# KiCad board vga.kicad_pcb (continued)
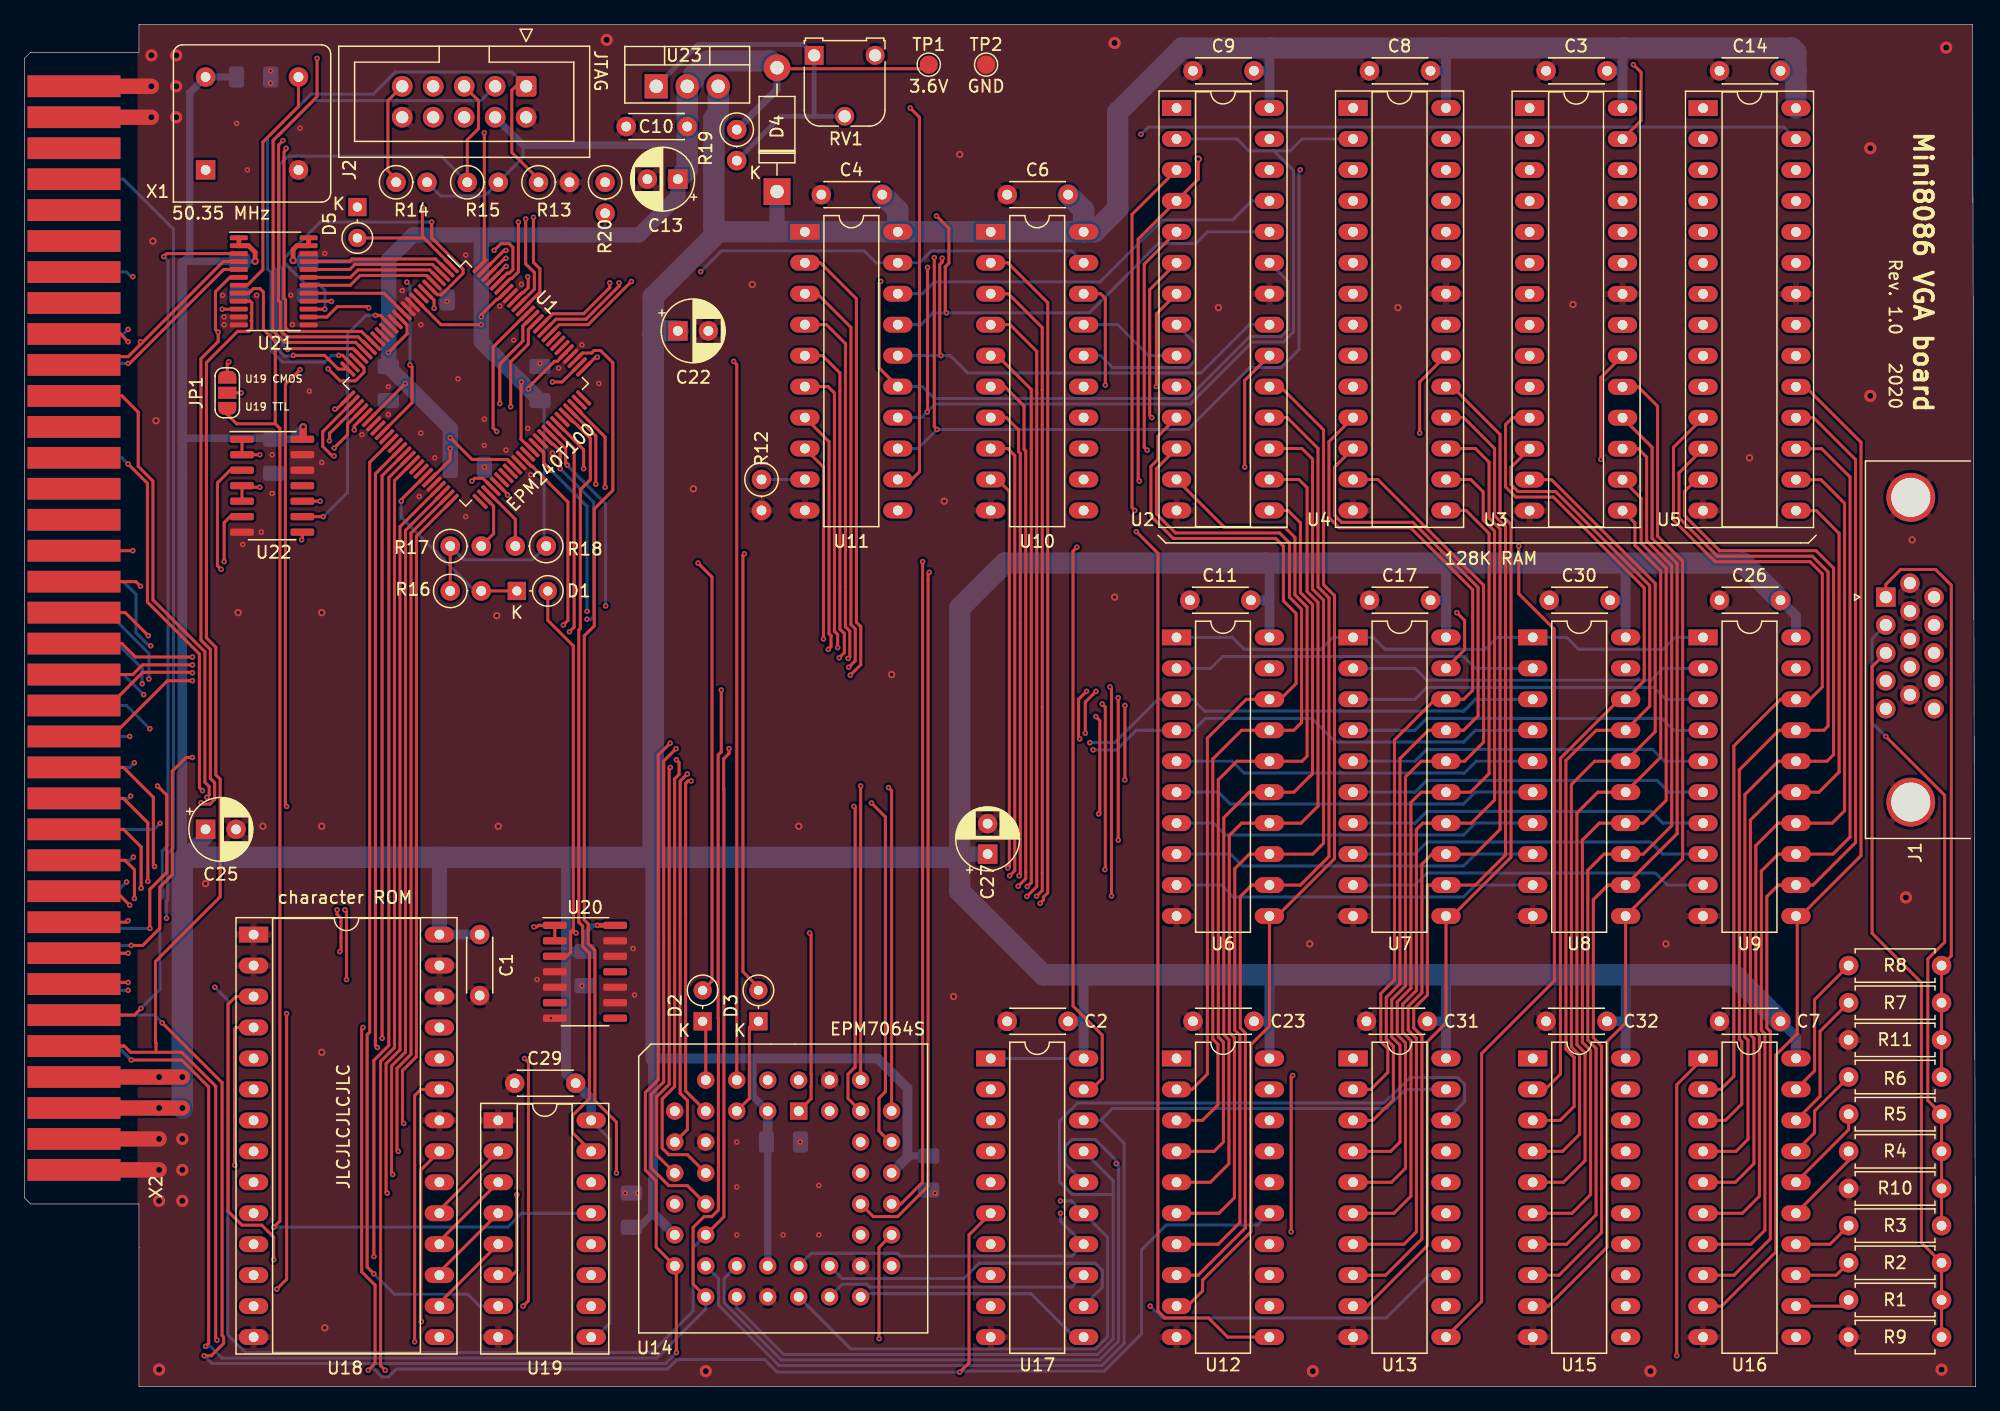
[diagram p0: board, top side]
## Nets (continued)
~{CHR_TO_COL}: U1.69 U17.19
~{CPU_RAM0}: U1.68 U6.19
~{CPU_RAM1}: U1.67 U7.19
~{CPU_RAM2}: U1.66 U8.19
~{CPU_RAM3}: U1.64 U9.19
~{CPU_RAM_ADDR}: U1.34 U10.19 U11.19
~{CS_R0}: U1.27 U2.20
~{CS_R1}: U1.28 U4.20
~{CS_R2}: U1.29 U3.20
~{CS_R3}: U1.30 U5.20
~{OE_L0}: U1.38 U12.1
~{OE_L1}: U1.39 U13.1
~{OE_L2}: U1.40 U15.1
~{OE_L3}: U1.41 U16.1
~{PE_CHPX}: U1.71 U19.15
~{RD}: U21.5 X2.63
~{RESET}: D1.2 U14.1 U20.3
~{VGA_IO}: U14.39 X2.26
~{VGA_MEM}: U21.4 U22.10 X2.27
~{WE_R0}: U1.19 U2.27
~{WE_R1}: U1.20 U4.27
~{WE_R2}: U1.21 U3.27
~{WE_R3}: U1.26 U5.27
~{WR}: U14.37 U21.6 X2.64
Net-(U11-A7): R12.1 U11.9
Net-(U18-D0): U18.11 U19.14
Net-(U18-D1): U18.12 U19.12
Net-(U18-D2): U18.13 U19.11
Net-(U18-D3): U18.15 U19.10
Net-(U18-D4): U18.16 U19.5
Net-(U18-D5): U18.17 U19.4
Net-(U18-D6): U18.18 U19.3
Net-(U18-D7): U18.19 U19.2
Net-(U23-ADJ): R19.2 RV1.1 RV1.2 U23.1

Pads without a net: J1 4 5 9 11 12 15; J2 6 7 8; U1 8 14 16 17 18 33 35 37 42 43 51 56 57 58 62 70 74 75 81 82 83; U11 11; U14 2 7 13 32 36 38 43 44; U20 6 8 11; U22 11; X1 1; X2 22 23 24 25 29 30 31 32 33 34 57 58 59 61 62 65 67 68 70

## Via types
v1: diameter 0.45, hole 0.2, Top to Bottom, 297 vias
v2: diameter 1, hole 0.5, Top to Bottom, 27 vias
v3: diameter 0.6, hole 0.3, Top to Bottom, 30 vias

## Routing (per net, layer and track width the routed paths; a pad name or vN(x,y) marks a point on that pad's centre or on a via; arc(x,y) is an arc through that point)
GND: length 57.9
  Top w1.25: X2.1 v2(11.05,17.78) ; X2.36 v2(10.41,106.68) ; v2(10.41,104.14) X2.35 ; X2.2 v2(11.05,20.32)
  In2.Cu w0.6: 154.63,65.92 J1.7 154.63,61.34
  Bottom w1.25: X2.1 v2(11.05,17.78) ; X2.36 v2(10.41,106.68) ; X2.2 v2(11.05,20.32) ; v2(10.41,104.14) X2.35
  vias: v1(16.26,89.53) v1(16.38,87.76) v1(16.38,87.12) v1(17.4,103.63) v1(17.91,69.09) v1(18.29,99.82) v1(19.05,89.53) v1(19.43,70.1) v1(20.19,107.95) v1(20.19,106.93) v1(20.32,76.45) v1(20.32,73.28) v1(21.84,89.53) v1(21.97,87.12) v1(22.61,103.25) v1(23.37,81.66) v1(24.38,75.82) v1(24.64,92.96) v1(27.69,78.11) v1(29.84,82.04) v1(29.84,79.76) v1(30.99,89.92) v1(32.39,73.03) v1(32.51,87.12) v1(32.51,78.23) v1(33.66,76.2) v1(34.67,89.03) v1(35.56,82.68) v1(36.2,92.84) v1(36.2,71.37) v1(37.72,79.38) v1(37.72,77.22) v1(37.72,75.44) v1(38.99,88.65) v1(39.5,76.84) v1(40.13,85.85) v1(40.77,90.42) v1(41.28,78.61) v1(41.53,74.8) v1(42.04,33.4) v1(42.29,83.95) v1(43.18,30.23) v1(43.31,76.58) v1(43.81,83.57) v1(45.72,85.47) v1(45.72,32.89) v1(47.12,82.3) v1(49.28,15.88) v1(49.91,35.94) v1(50.04,32.13) v1(50.29,15.88) v1(58.42,20.07) v1(58.42,16.38) v1(58.42,12.45) v1(62.23,12.45) v1(63.63,20.07) v1(65.15,16.51) v1(65.15,12.45) v1(74.68,15.88) v2(10.41,109.22) v2(11.05,15.24) v2(11.05,1.4) v2(12.45,109.22) v2(12.45,106.68) v2(12.45,104.14) v2(12.95,20.32) v2(12.95,17.78) v2(12.95,15.24) v2(47.75,110.49) v2(55.88,1.27) v2(89.41,110.24) v2(105.66,1.27) v2(133.35,1.27) v2(151.38,101.6) v2(151.38,81.28) v2(154.31,40.13) v2(157.23,1.4) v2(157.61,109.86) v3(10.54,93.98) v3(10.8,79.25) v3(14.86,41.28) v3(17.53,63.5) v3(19.56,45.97) v3(24.38,63.5) v3(24.38,45.97) v3(24.38,27.43) v3(24.64,4.83) v3(38.73,63.25) v3(38.86,45.97) v3(54.86,73.66) v3(59.69,90.42) v3(63.5,45.97) v3(71.12,58.42) v3(75.44,72.64) v3(76.2,32) v3(76.71,101.09) v3(89.41,64.77) v3(97.92,88.52) v3(105.41,36.32) v3(112.65,88.52) v3(127,88.77) v3(134.62,36.32) v3(141.48,76.2) v3(154.81,69.47)
VCC: length 793
  Top w0.4: U20.14 v1(46.99,37.85) ; 17.58,94.25 U21.2 18.38,93.6 18.92,93.06 v3(18.92,92.33)
  Top w0.6: v3(22.86,78.74) 22.86,77.79 U22.14
  Top w1.25: v2(12.95,22.86) v2(11.05,22.86) X2.3 ; v2(12.95,25.4) v2(11.05,25.4) X2.4
  Bottom w0.25: U19.16 48.01,20.32 48.01,5.21 46.86,4.06 U19.9 ; U17.1 U17.20
  Bottom w0.4: v1(46.99,37.85) 46.61,37.85 45.97,37.21 C5.1 ; v3(18.92,92.33) 17.66,92.33 C12.1
  Bottom w0.6: U14.3 59.75,23.82 59.75,26.87 59.69,26.92 ; 51.56,14.22 50.42,13.08 C35.1 ; C15.1 X1.8 13.56,106.14 13.56,92.81 12.95,92.2 13.08,92.33 C12.1 ; 72.43,18.84 72.52,18.93 C28.1 ; U14.23 60.96,19.96 C20.1 ; v3(22.86,78.74) 21.85,77.73 C18.1 20.36,77.81 13.17,77.81 12.95,77.6
  Bottom w0.8: U7.20 116.59,64.77 ; 116.59,64.77 116.33,64.52 C17.1 ; 116.59,64.77 116.59,67.31 116.33,67.56 ; 12.95,92.2 12.95,43.18 ; U12.20 102.11,29.97 ; 102.11,29.97 C23.1 ; 102.11,29.97 102.11,33.53 102.36,33.78 ; 101.85,67.56 102.11,67.31 102.11,64.77 ; 102.11,64.77 101.85,64.52 C11.1 ; 102.11,64.77 U6.20 ; U15.20 131.32,30.23 ; 131.32,30.23 131.32,33.53 131.57,33.78 ; 131.32,30.23 131.06,29.97 C32.1 ; U4.28 116.59,107.95 ; 116.59,107.95 C8.1 ; 116.59,107.95 116.59,109.73 116.49,109.83 ; U14.15 51.56,14.22 51.56,26.92 69.98,26.92 72.43,24.47 72.43,18.84 U14.35 ; U9.20 145.29,63.25 C26.1 ; C31.1 116.33,29.97 116.59,30.23 ; 116.84,33.78 116.59,33.53 116.59,30.23 ; C30.1 131.06,64.52 131.32,64.77 ; 131.16,109.83 131.06,109.73 131.06,108.2 ; U3.28 131.06,108.2 ; 131.06,108.2 130.81,107.95 C3.1 ; 44.41,35.85 44.41,25.69 C29.1 46.48,23.62 U19.16 ; 44.41,35.85 44.57,35.69 C5.1 ; 44.41,35.85 44.41,42.89 44.96,43.43 ; C9.1 101.85,107.95 102.11,107.7 ; 116.59,30.23 U13.20 ; 102.21,109.83 102.11,109.73 102.11,107.7 ; 131.32,64.77 U8.20 ; 131.32,64.77 131.32,67.56 ; 86.87,29.72 86.87,33.27 87.38,33.78 ; 86.87,29.72 U17.20 ; 86.87,29.72 86.61,29.97 C2.1 ; C20.1 60.96,20.17 U14.3 ; 102.11,107.7 U2.28 ; C7.1 145.29,28.7 U16.20 ; C1.1 U18.28
  Bottom w1.25: 76.71,43.43 76.96,43.69 C27.1 ; U18.28 34.04,43.43 ; 12.95,43.18 14.86,45.09 C25.1 ; 51.56,43.43 51.56,26.92 ; X2.3 v2(12.95,22.86) ; X2.4 v2(12.95,25.4) ; D4.1 61.72,95 61.47,94.74
  Bottom w1.75: 56.9,94.74 U11.1 U11.20 ; 56.9,94.74 51.56,89.41 51.56,86.36 ; 56.9,94.74 56.54,95.09 56.54,104.02 56.9,104.38 U23.3 ; C6.1 86.87,96.52 U10.20 ; 51.56,43.43 51.56,86.36 ; 51.56,43.43 13.21,43.43 12.95,43.18 v2(12.95,25.4) v2(12.95,22.86) ; 51.56,43.43 76.71,43.43 ; 51.56,86.36 51.82,86.61 C22.1 ; U11.20 71.63,96.52 C4.1 ; U11.20 U10.20 ; C14.1 145.29,107.95 ; 145.29,107.95 U5.28 ; 145.29,107.95 145.29,109.47 144.94,109.83 94.94,109.83 89.66,104.55 89.66,96.65 87.76,94.74 U10.20 ; 76.71,43.43 76.71,40.64 83.57,33.78 140.21,33.78 C7.1 ; 76.71,43.43 76.71,63.88 80.39,67.56 140.97,67.56 C26.1
VCC36: length 199.4
  Top w0.25: 37.47,87.76 37.47,87.94 38.72,89.2 38.82,89.2 39.47,89.84 U1.94 ; R16.1 R17.1 ; TP1.1 73.83,108.12 61.81,108.12 D4.2 ; U1.80 44.45,84.86 43.71,84.12 43.48,84.12 41.28,81.91 ; U1.13 30.77,87.69 31.38,87.08 31.38,86.37 v1(29.84,84.84) ; 31.24,82.3 28.29,79.35 U1.31 ; v1(37.47,87.12) 34.16,87.12 32.18,89.1 U1.9 ; U1.63 41.59,76.87 40.72,77.73 40.72,82.38 ; U1.59 39.6,76.07 36.71,76.07 v1(34.92,77.85) ; U1.45 33.28,74.39 34.92,76.04 v1(34.92,76.96)
  Top w0.4: 23.31,94.25 U21.23 22.36,93.6 22.03,93.28 v3(22.03,92.39)
  Bottom w0.25: R17.1 36.05,67.84 41.67,67.84 R18.1 42.63,69.13 42.63,80.56 C34.1 ; 47.5,94.49 47.62,94.62 R20.2 ; 40.89,101.85 40.89,100.84 R15.2 37.74,97.68 34.15,97.68 R14.2
  Bottom w0.4: 29.84,92.2 29.72,92.33 C24.1 22.09,92.33 v3(22.03,92.39)
  Bottom w0.6: J2.4 40.89,101.85 54.36,101.85 ; R19.1 61.72,106.43 D4.2
  Bottom w1.25: C34.1 v1(41.34,81.85) v1(40.77,82.42) 37.47,85.72 v1(37.47,87.76) C16.1 37.47,94.37 37.59,94.49 ; 37.59,94.49 31.88,94.49 29.84,92.46 29.84,92.2 29.88,92.17 29.88,83.73 C19.1 v1(31.24,82.3) 34.92,78.62 C33.1 ; 37.59,94.49 50.42,94.49 53.59,97.66 C13.1
  Bottom w1.75: C13.1 54.36,99.82 C10.1 U23.2 54.87,107.19 54.87,107.57 56.06,108.76 61.17,108.76 D4.2
/connector/B: length 59
  Top w0.25: R9.1 R1.2 R2.2 155.57,11.81 155.57,33.15 151.53,37.19 151.53,59.06 J1.3
/connector/G: length 53.2
  Top w0.25: v1(152.65,53.34) 157.48,48.51 157.48,36.46 156.1,35.08 156.1,23.48 R5.2 R4.2 R10.1 R3.2
  Bottom w0.25: J1.2 151.53,61.35 151.53,54.47 v1(152.65,53.34)
/connector/R: length 48.1
  Top w0.25: R6.2 R11.1 R7.2 R8.2 158.03,35.34 158.03,65.75 156.73,67.04 153.87,67.04 152.65,65.82 J1.1
/connector/RESET: length 100.2
  Top w0.25: U20.2 U20.1 42.16,37.85 42.04,37.72 v1(41.78,37.72)
  In1.Cu w0.25: v1(11.65,38.42) 41.08,38.42 v1(41.78,37.72)
  Bottom w0.25: 11.75,38.42 v1(11.65,38.42) 11.65,39.85 11.75,39.95 11.75,43.76 12.23,44.23 12.23,94.96 8.12,99.06 X2.69
/CPLD/A0_3: length 29.8
  Top w0.25: v1(33.4,95.54) 33.4,94.25 35.98,91.67 35.98,91.34 34.22,89.59 33.85,89.59 U1.6 ; v1(24.64,88.39) 23.32,88.39 U21.15
  Bottom w0.25: v1(33.4,95.54) 24.25,95.54 21.35,92.63 21.35,92.2 21.59,91.96 21.59,91.92 23.02,90.48 24.1,90.48 24.64,89.95 v1(24.64,88.39)
/CPLD/A1_3: length 11.8
  Top w0.25: U21.21 26.64,92.3 26.85,92.51 33.72,92.51 34.62,91.61 U1.2
/CPLD/CHARPIXEL_CPLD: length 32.4
  Top w0.25: U1.77 44.1,82.42 v1(43.31,82.42) ; JP1.2 v1(17.78,81.53)
  In1.Cu w0.25: v1(43.31,82.42) 41.91,82.42 41.36,82.97 40.5,82.97 39.66,82.13 32.3,82.13 31.58,82.85 29.84,82.85 26.64,79.65 22.46,79.65 20.57,81.53 v1(17.78,81.53)
/CPLD/CPLD_CLK: length 19.5
  Top w0.25: X1.5 22.48,105.03 19.56,102.11 19.56,91.64 18.27,90.35 U21.7
/CPLD/CPLD_CLK_3: length 8.5
  Top w0.25: U1.12 29.5,89.7 U21.17
/CPLD/HSYNC_3: length 24.6
  Top w0.25: v1(39.62,73.15) 39.62,73.21 U1.55 ; v1(19.3,73.79) 17.97,73.79 17.84,73.91 17.84,72.64
  In1.Cu w0.25: v1(19.3,73.79) 19.36,73.84 36.34,73.84 37.03,73.15 v1(39.62,73.15)
/CPLD/MODE0: length 8.4
  Top w0.25: U14.5 59.46,23.64 59.46,29.48 60.2,30.23
/CPLD/MODE0_3: length 63.7
  Top w0.25: U1.52 38.48,72.23 38.48,69.98 R17.2 ; v1(59.06,68.33) 58.93,68.2 58.93,34.04 60.2,32.77
  In1.Cu w0.25: R17.2 38.59,70.09 43.45,70.09 45.21,68.33 v1(59.06,68.33)
/CPLD/MODE1: length 4.9
  Top w0.25: U14.6 55.88,29.72 D2.1
/CPLD/MODE1_3: length 56.7
  Top w0.25: U1.53 40.26,71.16 R18.2 ; D2.2 56.39,33.27 56.39,66.42 v1(55.25,67.56)
  In1.Cu w0.25: R18.2 41.38,67.84 54.97,67.84 v1(55.25,67.56)
/CPLD/PLANE: length 124
  Top w0.25: v1(68.03,47.6) 68.13,47.5 68.13,26.22 67.54,25.63 67.54,23.64 U14.41 ; v1(21.51,47.6) 21.41,47.7 21.41,82.24 v1(22.61,83.44)
  In1.Cu w0.25: v1(68.03,47.6) 67.71,47.6 67.61,47.7 21.61,47.7 v1(21.51,47.6) ; v1(22.61,83.44) 22.61,85.24 26.23,88.87 26.23,95.7 D5.1
/CPLD/PLANE_3: length 27.1
  Top w0.25: 32.77,94.23 32.64,94.36 v1(32.64,96.77) ; 32.77,94.23 D5.2 ; 32.77,94.23 35.01,91.99 U1.1
  In1.Cu w0.25: R20.1 45.72,96.9 32.77,96.9 v1(32.64,96.77)
/CPLD/TCK: length 58.6
  Top w0.25: J2.1 40.3,106.68 39.97,106.35 39.97,101.25 42.16,99.06 ; v1(25.78,84.6) 26.11,84.6 U1.24
  Bottom w0.25: v1(25.78,84.6) 25.19,84.6 24.64,84.05 21.18,84.05 20.24,84.99 20.24,91.4 19.94,91.69 19.94,102.49 23.5,106.05 28.61,106.05 30.42,107.86 39.97,107.86 J2.1
/CPLD/TDI: length 30.9
  Top w0.25: v1(24.9,83.5) 25.89,82.51 27.15,82.51 27.84,83.21 27.84,83.58 U1.23 ; J2.9 29.81,105.5 29.81,99.73 30.48,99.06
  In1.Cu w0.25: v1(24.9,83.5) 24.9,86.9 30.48,92.48 R14.1
/CPLD/TDO: length 43.8
  Top w0.25: U1.25 25.74,83.48 24.62,84.6 v1(22.06,84.6)
  Bottom w0.25: v1(22.06,84.6) 21.99,84.54 21.33,84.54 20.69,85.18 20.69,91.58 20.45,91.82 20.45,102.29 20.83,102.67 20.89,102.67 23.72,105.5 37.43,105.5 J2.3
/CPLD/TMS: length 46.8
  Top w0.25: U1.22 26.97,85.15 21.65,85.15 v1(21.59,85.09) ; J2.5 37.24,105.5 37.24,103.21 36.32,102.29 36.32,99.06
  Bottom w0.25: v1(21.59,85.09) 21.14,85.54 21.14,91.77 20.9,92.01 20.9,100.22 21.62,100.95 34.18,100.95 R15.1
/CPLD/VSYNC_3: length 23.3
  Top w0.25: v1(36.7,74.3) 36.93,74.52 37.61,74.52 U1.54 ; 17.84,77.72 17.84,76.45 v1(19.3,76.45)
  In1.Cu w0.25: v1(19.3,76.45) 21.46,74.3 v1(36.7,74.3)
  Bottom w0.25: 36.65,74.24 v1(36.7,74.3)
/CPLD/~{BHE_3}: length 12.5
  Top w0.25: 23.31,87.75 24.81,87.75 25.66,88.6 28.14,88.6 v1(28.24,88.5) ; U1.7 33.6,89.13 v1(33.6,88.46)
  In1.Cu w0.25: v1(28.24,88.5) 28.27,88.48 28.97,88.48 29.07,88.58 33.34,88.58 33.46,88.46 v1(33.6,88.46)
/CPLD/~{RD_3}: length 11.2
  Top w0.25: U21.19 26.74,91 27.35,91.61 33.24,91.61 U1.4
/CPLD/~{RESET_3}: length 16.2
  Top w0.25: D1.1 R16.2 ; U1.44 30.9,72.76 v1(30.9,72.64)
  Bottom w0.25: R16.2 36.94,65.28 30.9,71.32 v1(30.9,72.64)
/CPLD/~{VGA_MEM_3}: length 11.5
  Top w0.25: 23.31,91.65 26.69,91.65 27.1,92.06 33.46,92.06 34.27,91.26 U1.3
/CPLD/~{WR_3}: length 10.9
  Top w0.25: U21.18 26.73,90.35 27.54,91.16 32.98,91.16 U1.5
A0: length 169.7
  Top w0.25: U14.31 70.08,11.41 70.08,3.96 v1(70.1,3.94) ; 8.12,27.94 X2.5 8.2,27.94 8.71,27.43 10.8,27.43 ; U21.9 18.52,89.05 18.65,88.92 18.65,88.13 18.6,88.08 18.65,88.03 18.65,87.48 18.6,87.43 18.65,87.38 18.65,86.83 18.4,86.58 17.49,86.58 14.93,84.02 14.93,61.44 15.7,60.66 15.7,50.19 16.06,49.84 16.06,40.19 10.75,34.88 10.75,28.24 10.8,28.19 10.8,27.43 ; v1(15.79,3.81) 15.69,3.91 15.69,24.64 12.9,27.43 10.8,27.43
  In1.Cu w0.25: v1(70.1,3.94) 48.28,3.94 46.99,2.64 16.96,2.64 v1(15.79,3.81)
A1: length 162
  Top w0.25: v1(9.55,31.03) 9.55,31.02 9.02,30.48 X2.6 ; v1(21.51,30.61) 21.51,8.81 v1(20.7,8) ; v1(11.43,92.71) 11.67,92.95 U21.3
  In1.Cu w0.25: v1(9.55,31.03) 9.98,30.61 v1(21.51,30.61) ; v1(20.7,8) 20.73,8.03 42.32,8.03 44.41,10.12 47.44,10.12 48.69,8.87 70.08,8.87 U14.29
  Bottom w0.25: v1(11.43,92.71) 11.78,92.36 11.78,44.42 11.3,43.94 11.3,40.13 11.1,39.93 11.1,32.58 v1(9.55,31.03)
A2: length 141.3
  Top w0.25: v1(26.42,33.4) 26.42,38.99 v1(26.29,39.12) ; X2.7 4.21,33.16 v1(8.51,33.16) ; v1(83.3,39.65) 83.57,39.91 83.57,40.15 83.92,40.51 83.92,88.92 80.64,92.2 U10.2
  In1.Cu w0.25: v1(8.51,33.16) 8.75,33.4 v1(26.42,33.4) ; v1(26.29,39.12) 26.53,38.87 52.44,38.87 52.45,38.86 82.51,38.86 v1(83.3,39.65)
A3: length 136
  Top w0.25: v1(83.01,40.23) 83.47,40.7 83.47,81.75 83.47,81.76 83.47,86.89 80.7,89.66 U10.3 ; X2.8 v1(8.51,35.56) ; v1(25.64,39.12) 25.64,38.75 25.97,38.42 25.97,35.79 v1(25.87,35.69)
  In1.Cu w0.25: v1(83.01,40.23) 82.1,39.32 26.89,39.32 26.55,39.67 25.87,39.67 25.64,39.43 v1(25.64,39.12) ; v1(25.87,35.69) 25.74,35.56 v1(8.51,35.56)
A4: length 129
  Top w0.25: U10.4 80.84,87.12 83.02,84.93 83.02,81.57 83.02,41.03 v1(82.21,40.21) ; X2.9 8.38,38.1 v1(8.51,38.23)
  In1.Cu w0.25: v1(8.51,38.23) 9.26,38.97 24.5,38.97 25.64,40.12 26.94,40.12 27.28,39.77 81.77,39.77 v1(82.21,40.21)
A5: length 125
  Top w0.25: v1(82.25,41.03) 82.57,41.35 82.57,71.75 82.57,71.75 82.57,81.81 79.8,84.58 U10.5 ; X2.10 7.49,40.64 v1(8.64,39.5)
  In1.Cu w0.25: v1(82.25,41.03) 81.45,40.22 27.47,40.22 27.13,40.57 25.45,40.57 24.38,39.5 v1(8.64,39.5)
A6: length 123.9
  Top w0.25: X2.11 8.26,43.18 9.03,42.41 v1(9.03,40.05) ; v1(81.5,41.06) 82.12,41.68 82.12,42.21 82.12,42.21 82.12,76.76 81.98,76.9 81.98,80.45 80.39,82.04 U10.6
  In1.Cu w0.25: v1(81.5,41.06) 81.12,40.67 27.65,40.67 27.31,41.02 25.14,41.02 24.17,40.05 v1(9.03,40.05)
A7: length 121.9
  Top w0.25: U10.7 80.52,79.5 81.53,78.49 81.53,76.71 81.67,76.57 81.67,42.01 v1(81.57,41.91) ; X2.12 8.12,45.72 9.58,44.27 v1(9.58,40.89)
  In1.Cu w0.25: v1(81.57,41.91) 80.79,41.12 56.03,41.12 56.01,41.15 27.82,41.15 27.5,41.47 24.95,41.47 24,40.51 10.41,40.51 10.36,40.56 9.91,40.56 v1(9.58,40.89)
A8: length 119.7
  Top w0.25: U10.8 80.64,76.96 81.22,76.38 81.22,42.33 v1(80.8,41.91) ; X2.13 8.12,48.26 10.13,46.26 v1(10.13,41.45)
  In1.Cu w0.25: v1(80.8,41.91) 80.46,41.57 56.22,41.57 56.19,41.6 28,41.6 27.69,41.92 10.59,41.92 v1(10.13,41.45)
A9: length 116.6
  Top w0.25: U10.9 79.8,74.42 80.77,73.45 80.77,42.67 v1(80.64,42.55) ; X2.14 8.12,50.8 10.58,48.35 10.58,42.77 v1(10.68,42.67)
  In1.Cu w0.25: v1(80.64,42.55) 80.15,42.05 28.19,42.05 27.87,42.37 10.98,42.37 v1(10.68,42.67)
A10: length 102.6
  Top w0.25: v1(67.73,58.36) 68.59,59.22 68.59,62.35 68.23,62.71 68.23,89.25 65.28,92.2 U11.2 ; v1(13.78,57.91) 11.74,57.91 7.16,53.34 X2.15
  In1.Cu w0.25: v1(13.78,57.91) 67.28,57.91 v1(67.73,58.36)
A11: length 98.2
  Top w0.25: X2.16 6.98,55.88 9.71,58.6 13.74,58.6 v1(13.78,58.56) ; v1(67.61,59.01) 68.14,59.55 68.14,62.16 67.78,62.52 67.78,86.9 65.02,89.66 U11.3
  In1.Cu w0.25: v1(67.61,59.01) 66.95,58.36 14.3,58.36 14.1,58.56 v1(13.78,58.56)
A12: length 94.4
  Top w0.25: X2.17 8.89,58.42 9.68,59.21 v1(13.78,59.21) ; U11.4 65.79,87.12 67.33,85.57 67.33,62.34 67.69,61.98 67.69,59.88 v1(67.56,59.74)
  In1.Cu w0.25: v1(67.56,59.74) 66.63,58.81 14.61,58.81 14.21,59.21 v1(13.78,59.21)
A13: length 90.8
  Top w0.25: v1(13.78,59.86) 9.1,59.86 8,60.96 X2.18 ; v1(66.83,59.79) 67.24,60.21 67.24,61.79 66.88,62.15 66.88,83.16 65.46,84.58 U11.5
  In1.Cu w0.25: v1(66.83,59.79) 66.3,59.26 14.93,59.26 14.33,59.86 v1(13.78,59.86)
A14: length 88.3
  Top w0.25: v1(10.17,61.6) 8.27,63.5 X2.19 ; U11.6 65.91,82.04 66.43,81.52 66.43,61.97 66.69,61.7 v1(66.69,60.63)
  In1.Cu w0.25: v1(10.17,61.6) 10.35,61.6 11.54,60.41 14.42,60.41 15.12,59.71 65.97,59.71 66.69,60.44 v1(66.69,60.63)
A15: length 86
  Top w0.25: X2.20 9.14,66.04 v1(9.52,65.66) ; U11.7 65.98,77.53 65.98,61.78 66.15,61.61 66.15,60.71 v1(65.92,60.48)
  In1.Cu w0.25: v1(9.52,65.66) 9.52,63.06 11.72,60.86 14.61,60.86 15.31,60.16 65.66,60.16 65.66,60.22 v1(65.92,60.48)
A16: length 84
  Top w0.25: v1(65.53,61.34) 65.53,75.44 U11.8 ; X2.21 v1(8.89,68.58)
  In1.Cu w0.25: v1(8.89,68.58) 10.08,67.39 10.08,63.29 10.16,63.2 10.16,63.19 12.04,61.31 14.79,61.31 15.49,60.61 65.28,60.61 65.53,60.87 v1(65.53,61.34)
CHARPIXEL: length 111
  Top w0.25: v1(20.45,13.08) 20.95,13.59 20.95,78.61 20.57,78.99 ; U21.8 18.4,89.7 18.79,90.09 19.31,90.09 19.6,89.8 19.6,86.73 20.57,85.76 20.57,78.99 ; 20.57,78.99 17.4,78.99 16.64,79.76 JP1.1
  Bottom w0.25: v1(20.45,13.08) 39.65,13.08 40.79,14.22 U19.13
CHARPIXEL_3: length 13.8
  Top w0.25: v1(25.19,89.03) 25.16,89.05 U21.16 ; JP1.3 16.64,83.95 v1(16.76,84.07)
  In1.Cu w0.25: v1(16.76,84.07) 19.74,84.07 22.52,86.86 22.52,87.09 24.46,89.03 v1(25.19,89.03)
CHROW0: length 71.3
  Top w0.25: v1(29.76,15.88) 29.66,15.97 29.66,26.49 30.8,27.63 30.8,70.54 33.95,73.69 U1.47
  In1.Cu w0.25: v1(29.76,15.88) 25.53,15.88 23.88,14.22 U18.10
CHROW1: length 69.6
  Top w0.25: v1(30.21,17.4) 30.11,17.5 30.11,26.3 31.25,27.45 31.25,70.25 34.3,73.3 U1.48
  In1.Cu w0.25: U18.9 21.08,16.76 22.03,17.71 29.9,17.71 v1(30.21,17.4)
CHROW2: length 67.3
  Top w0.25: U1.49 31.7,70.03 31.7,27.26 30.56,26.12 30.56,19.4 v1(30.66,19.3)
  In1.Cu w0.25: v1(30.66,19.3) U18.8
CHROW3: length 65.2
  Top w0.25: U1.50 32.15,69.77 32.15,27.07 31.01,25.93 31.01,21.69 v1(31.11,21.59)
  In1.Cu w0.25: U18.7 30.86,21.84 v1(31.11,21.59)
CPU_RAM_DIR: length 111.8
  Top w0.25: 41.63,75.51 44.58,72.57 44.58,62.86 v1(44.2,62.48) ; 41.63,75.51 41.56,75.51 U1.61 ; 41.63,75.51 41.53,75.51
  In1.Cu w0.25: U6.1 74.68,61.47 73.73,62.42 46.42,62.42 46.41,62.41 45.86,62.41 45.78,62.48 v1(44.2,62.48)
  Bottom w0.25: U6.1 99.06,61.47 100.04,60.49 106.34,60.49 107.31,61.47 U7.1 110.62,61.47 111.59,60.49 119.8,60.49 120.78,61.47 U8.1 126.49,61.47 127.47,60.49 134.41,60.49 135.38,61.47 U9.1
D0: length 197.6
  Top w0.25: U14.18 54.84,8.4 54.84,13.06 55.73,13.95 56.38,13.95 56.92,14.49 56.92,30.21 56.9,30.23 56.9,51.82 57.15,52.07 v1(57.15,57.15) ; v1(8.76,26.8) 12.9,26.8 15.11,24.58 15.11,3.56 v1(14.86,3.3)
  In1.Cu w0.25: v1(57.15,57.15) 86.4,57.15 88.18,58.93 U6.2
  Bottom w0.25: X2.41 7.62,27.94 v1(8.76,26.8) ; U6.2 97.28,58.93 98.26,59.9 118.02,59.9 119,58.93 U8.2 ; v1(14.86,3.3) 15.24,3.3 16.2,2.34 51.86,2.34 55.88,6.36 U14.18
D1: length 202.4
  Top w0.25: v1(53.47,2.79) 53.47,9.78 U14.17 51.82,11.43 51.82,16.88 50.93,17.77 50.93,24.13 51.98,25.18 51.98,51.81 v1(52.96,52.79) ; v1(11.3,29.84) 16.21,24.93 16.21,4.2 16.34,4.07 16.34,3.55 15.33,2.53 v1(14.74,2.53)
  In1.Cu w0.25: v1(52.96,52.79) 53.06,52.89 85.98,52.89 86.27,52.59 87.14,52.59 v1(87.38,52.83)
  Bottom w0.25: v1(11.3,29.84) 10.67,30.48 X2.42 ; v1(87.38,52.83) 89.41,52.83 92.96,56.39 U6.3 95.82,56.39 96.8,55.41 118.02,55.41 119,56.39 U8.3 ; v1(53.47,2.79) 52.57,1.89 15.38,1.89 v1(14.74,2.53)
D2: length 196.9
  Top w0.25: v1(57.78,52.34) 57.78,51.94 57.35,51.5 57.35,49.02 57.37,49 57.37,13.93 U14.16
  In1.Cu w0.25: v1(8.51,32.51) 15.37,32.51 v1(15.62,32.77) ; v1(87.65,52.24) 87.42,52.02 86.16,52.02 85.74,52.44 57.88,52.44 v1(57.78,52.34)
  Bottom w0.25: v1(15.62,32.77) 16.68,31.7 16.68,4.25 18.14,2.79 51.44,2.79 54.84,6.2 54.84,11.41 U14.16 ; v1(87.65,52.24) 89.58,52.24 91.19,53.85 U6.4 95.88,53.85 96.86,54.82 105.58,54.82 107.53,52.87 118.02,52.87 119,53.85 U8.4 ; v1(8.51,32.51) 4.57,32.51 X2.43
D3: length 175.9
  Top w0.25: U14.14 54.38,16.49 52.84,16.49 51.4,17.93 51.4,23.97 52.43,25 52.43,51.32 v1(53.44,52.34) ; v1(13.78,51.62) 13.26,51.62 12.13,50.48 12.13,42 11.1,40.98 11.1,37.59 9.7,36.2 v1(8.76,36.2)
  In1.Cu w0.25: U6.5 86.09,51.31 85.6,51.8 85.6,51.82 85.42,51.99 59.36,51.99 59.16,51.79 53.99,51.79 v1(53.44,52.34) 53.22,52.11 14.28,52.11 v1(13.78,51.62)
  Bottom w0.25: X2.44 4.7,36.2 v1(8.76,36.2) ; U8.5 119.06,51.31 118.09,50.33 100.04,50.33 99.06,51.31 U6.5
D4: length 171.7
  Top w0.25: U14.12 54.38,19.03 52.84,19.03 52.3,19.57 52.3,23.6 53.33,24.62 53.33,49.86 53.69,50.22 53.69,51.21 v1(53.47,51.44) ; v1(10.29,37.59) 10.29,40.8 11.68,42.19 11.68,48.52 v1(10.92,49.28)
  In1.Cu w0.25: U6.6 83.57,48.77 80.79,51.54 59.56,51.54 59.36,51.34 53.56,51.34 v1(53.47,51.44) 52.8,51.44 52.43,51.07 12.71,51.07 v1(10.92,49.28)
  Bottom w0.25: U8.6 119,48.77 118.02,47.79 98.89,47.79 97.92,48.77 U6.6 ; X2.45 4.57,37.59 v1(10.29,37.59)
D5: length 163.7
  Top w0.25: v1(52.98,50.8) 52.88,50.7 52.88,24.81 51.85,23.78 51.85,19.01 U14.11
  In1.Cu w0.25: v1(8.38,41.4) 8.38,45.85 13.15,50.62 52.79,50.62 v1(52.98,50.8) 54.27,50.8 54.36,50.89 59.55,50.89 59.75,51.09 80.61,51.09 85.47,46.23 U6.7
  Bottom w0.25: v1(8.38,41.4) 7.62,40.64 X2.46 ; U6.7 97.54,46.23 98.51,45.25 118.02,45.25 119,46.23 U8.7
D6: length 158.7
  Top w0.25: U14.9 54.38,21.1 54.38,23.47 53.78,24.07 53.78,49.68 v1(54.36,50.26)
  In1.Cu w0.25: U6.8 87.25,43.69 80.3,50.64 59.94,50.64 59.71,50.42 54.52,50.42 v1(54.36,50.26) 54.27,50.17 13.59,50.17 8.93,45.51 v1(8.93,43.44)
  Bottom w0.25: U8.8 119,43.69 118.02,42.71 99.91,42.71 98.93,43.69 U6.8 ; v1(8.93,43.44) 8.67,43.18 X2.47
D7: length 154.2
  Top w0.25: v1(54.67,49.69) 54.43,49.69 54.23,49.49 54.23,24.26 U14.8
  In1.Cu w0.25: v1(11.13,46.22) 14.63,49.71 17.27,49.71 17.3,49.69 v1(54.67,49.69) 54.67,49.72 54.92,49.97 59.9,49.97 60.12,50.19 77.45,50.19 77.47,50.17 80.04,50.17 89.06,41.15 U6.9
  Bottom w0.25: X2.48 10.63,45.72 v1(11.13,46.22) ; U8.9 119,41.15 118.02,40.17 99.15,40.17 98.17,41.15 U6.9
D8: length 141.5
  Top w0.25: v1(86.55,53.14) 86.46,53.23 86.46,56.39 v1(87.11,57.04)
  In1.Cu w0.25: v1(87.11,57.04) 88.47,58.4 89.6,58.4 90.19,57.81 105.41,57.81 106.52,58.93 U7.2 ; v1(8.71,48.45) 13.61,53.34 86.35,53.34 v1(86.55,53.14)
  Bottom w0.25: U7.2 114.05,58.93 115.02,57.95 133.39,57.95 134.37,58.93 U9.2 ; X2.49 8.53,48.26 v1(8.71,48.45)
D9: length 139.7
  Top w0.25: v1(87.01,53.6) 87.01,56.16 v1(87.88,57.04)
  In1.Cu w0.25: v1(87.88,57.04) 88.8,57.95 89.41,57.95 90,57.36 107.99,57.36 U7.3 ; v1(9.02,51.18) 10.81,51.18 13.42,53.79 86.93,53.79 87.01,53.71 v1(87.01,53.6)
  Bottom w0.25: U9.3 134.62,56.39 133.64,57.36 115.02,57.36 114.05,56.39 U7.3 ; v1(9.02,51.18) 8.64,50.8 X2.50
D10: length 135.9
  In1.Cu w0.25: 64.5,54.24 87.15,54.24 88.51,52.87 106.59,52.87 107.57,53.85 U7.4 ; 64.5,54.24 64.64,54.24 ; 64.5,54.24 13.23,54.24 12.33,53.34 v1(8.64,53.34)
  Bottom w0.25: U7.4 114.05,53.85 115.02,54.82 134.28,54.82 135.25,53.85 U9.4 ; X2.51 v1(8.64,53.34)
D11: length 142.9
  Top w0.25: v1(90.25,55.88) v1(90.25,49.78)
  In1.Cu w0.25: v1(90.25,55.88) 88.8,54.43 87.6,54.43 87.33,54.69 13.05,54.69 12.33,53.97 v1(10.29,53.97) ; v1(90.25,49.78) 106.17,49.78 107.7,51.31 U7.5
  Bottom w0.25: U9.5 134.49,51.31 133.52,52.28 115.02,52.28 114.05,51.31 U7.5 ; v1(10.29,53.97) 8.38,55.88 X2.52
D12: length 144.6
  Top w0.25: v1(87.86,54.98) 88.2,54.64 88.2,46.99 v1(88.1,46.99)
  In1.Cu w0.25: U7.6 107.99,47.79 88.9,47.79 v1(88.1,46.99) ; v1(9.78,56.77) 11.41,55.14 87.7,55.14 v1(87.86,54.98)
  Bottom w0.25: U9.6 134.87,48.77 133.9,49.74 115.02,49.74 114.05,48.77 U7.6 ; X2.53 8.13,58.42 v1(9.78,56.77)
D13: length 150.1
  Top w0.25: v1(89.7,56.52) v1(89.7,44.83)
  In1.Cu w0.25: v1(9.66,57.67) 11.59,55.73 11.59,55.72 11.72,55.59 87.99,55.59 88.13,55.46 88.65,55.46 v1(89.7,56.52) ; U7.7 106.68,46.23 105.28,44.83 v1(89.7,44.83)
  Bottom w0.25: X2.54 7.62,60.96 9.66,58.92 v1(9.66,57.67) ; U9.7 134.37,46.23 133.39,47.2 115.02,47.2 114.05,46.23 U7.7
D14: length 152.9
  Top w0.25: v1(88.6,42.42) 88.65,42.46 88.65,55.75 v1(88.39,56.01)
  In1.Cu w0.25: v1(88.6,42.42) 106.05,42.42 107.31,43.69 U7.8 ; v1(10.21,58.05) 10.21,57.75 11.92,56.04 88.36,56.04 v1(88.39,56.01)
  Bottom w0.25: X2.55 6.86,63.5 10.21,60.15 v1(10.21,58.05) ; U7.8 114.05,43.69 115.02,44.66 133.39,44.66 134.37,43.69 U9.8
D15: length 159.9
  Top w0.25: v1(89.03,57.4) 89.15,57.28 v1(89.15,40.26)
  In1.Cu w0.25: v1(10.36,60.78) 10.8,60.33 10.8,57.79 12.11,56.49 64.39,56.49 ; 64.14,56.49 88.11,56.49 v1(89.03,57.4) ; U7.9 104.78,41.15 103.8,40.17 89.24,40.17 v1(89.15,40.26)
  Bottom w0.25: v1(10.36,60.78) 10.22,60.78 9.14,61.85 9.14,65.02 8.12,66.04 X2.56 ; U7.9 114.05,41.15 115.02,42.12 133.77,42.12 134.75,41.15 U9.9
DCHR0: length 115.8
  In1.Cu w0.25: U18.6 19.77,23.41 51.6,23.41 52.3,24.11 78.97,24.11 U17.2 81.92,24.38 82.93,23.37 99.82,23.37 100.84,24.38 U12.19 104.14,24.38 105.12,23.41 109.92,23.41 111.87,25.36 125.01,25.36 125.98,24.38 U15.19
DCHR1: length 120.5
  In1.Cu w0.25: U15.18 125.98,21.84 125.01,22.82 105.5,22.82 104.52,21.84 U12.18 99.19,21.84 98.07,20.73 85.7,20.73 84.71,21.72 79.38,21.72 U17.3 72.14,21.84 71.86,21.57 52.84,21.57 51.45,22.96 18.29,22.96 17.27,23.98 17.27,25.4 U18.5
DCHR2: length 129
  Top w0.25: U18.4 17.35,29.46 17.23,29.35 17.23,18.18 v1(17.26,18.16)
  In1.Cu w0.25: v1(17.26,18.16) 17.38,18.29 51.18,18.29 51.92,19.03 78.97,19.03 U17.4 84.71,19.3 85.68,20.28 98.21,20.28 99.19,19.3 U12.17 104.9,19.3 105.88,20.28 125.01,20.28 125.98,19.3 U15.17
DCHR3: length 142.4
  Top w0.25: U18.3 17.35,32 16.71,31.36 16.71,14.39 17.84,13.25 19.47,13.25 20.45,12.27 v1(20.45,10.41)
  In1.Cu w0.25: v1(20.45,10.41) 22.86,10.41 25.69,13.25 49.6,13.25 52.84,16.49 56.38,16.49 58.45,18.56 77.45,18.56 U17.5 80.84,16.76 81.81,17.74 98.08,17.74 99.06,16.76 U12.16 105.54,16.76 106.51,17.74 125.01,17.74 125.98,16.76 U15.16
DCHR4: length 163.9
  Top w0.25: v1(28.19,1.34) 28.76,1.91 28.76,8.32 27.66,9.42 27.66,29.35 v1(27.77,29.46) ; v1(76.71,1.19) 77.47,1.95 77.47,12.45 U17.6
  In1.Cu w0.25: U15.15 125.98,14.22 125.01,13.25 105.12,13.25 104.14,14.22 U12.15 ; v1(27.77,29.46) U18.25
  Bottom w0.25: v1(28.19,1.34) 28.29,1.44 28.68,1.44 29.33,0.79 29.86,0.79 30.5,1.44 52.75,1.44 53.53,2.22 60.71,2.22 61.74,1.19 v1(76.71,1.19) 76.79,1.27 88.55,1.27 91.62,4.34 91.62,11.23 93.64,13.25 101.13,13.25 U12.15
DCHR5: length 121.8
  Top w0.25: v1(40.89,6.6) 41.34,7.05 41.34,26.61 v1(41.02,26.92)
  In1.Cu w0.25: v1(41.02,26.92) U18.24 ; v1(40.89,6.6) 43.81,6.6 45.24,8.03 47.62,8.03 48,8.4 74.19,8.4 77.47,11.68 U17.7 82.04,11.68 83.02,12.66 98.08,12.66 99.06,11.68 U12.14 105.79,11.68 106.77,12.66 125.01,12.66 125.98,11.68 U15.14
DCHR6: length 117.9
  Top w0.25: U18.21 32.51,17.78 32.51,5.38 v1(32.55,5.33)
  In1.Cu w0.25: v1(32.55,5.33) 32.71,5.49 43.34,5.49 45.43,7.58 47.44,7.58 48.94,6.08 54.59,6.08 54.61,6.1 73.41,6.1 76.18,8.87 78.97,8.87 U17.8 83.06,9.14 84.07,8.13 97.03,8.13 98.04,9.14 U12.13 105.54,9.14 106.51,10.12 125.01,10.12 125.98,9.14 U15.13
DCHR7: length 125.1
  Top w0.25: v1(32,3.68) 32,23.88 32.51,24.38 U18.23
  In1.Cu w0.25: v1(32,3.68) 32.6,3.09 42.99,3.09 45.53,5.63 73.7,5.63 74.68,6.6 U17.9 81.66,6.6 82.64,7.58 97.07,7.58 98.04,6.6 U12.12 106.17,6.6 107.15,7.58 125.01,7.58 125.98,6.6 U15.12
DCOL0: length 132.5
  Top w0.25: R8.1 146.81,31.75 146.81,25.91 U16.19
  In1.Cu w0.25: U13.19 120.27,24.38 121.24,23.41 142.92,23.41 143.89,24.38 U16.19
  Bottom w0.25: U13.19 113.28,24.38 111.72,22.82 89.24,22.82 88.27,21.84 U17.18 88.32,21.84 90.19,19.97 90.19,3.55 88.38,1.74 61.88,1.74 56.93,6.68 56.93,8.85 U14.19
DCOL1: length 139.5
  Top w0.25: R7.1 147.26,29.15 147.26,23.82 U16.18
  In1.Cu w0.25: U16.18 143.76,21.84 142.79,20.87 119.34,20.87 118.36,21.84 U13.18
  Bottom w0.25: 89.29,15.76 89.29,3.92 88.01,2.64 62.26,2.64 58.42,6.48 U14.20 ; 89.29,15.76 85.94,15.76 84.89,16.81 84.89,21.8 86.36,23.27 111.53,23.27 113.62,25.36 117.54,25.36 118.11,24.79 118.11,23.37 U13.18 ; 89.29,15.76 89.29,16.88 U17.17
DCOL2: length 126.9
  Top w0.25: U16.17 146.81,20.83 146.81,22.61 R6.1
  In1.Cu w0.25: U16.17 143.76,19.3 142.79,18.33 121.24,18.33 120.27,19.3 U13.17 114.81,19.3 113.79,18.29 89.54,18.29 v1(89.53,18.29)
  Bottom w0.25: U17.16 85.34,18.29 85.34,19.71 85.91,20.28 87.82,20.28 89.74,18.36 89.74,3.74 88.19,2.19 62.06,2.19 57.38,6.87 57.38,8.87 U14.21
DCOL3: length 110.1
  Top w0.25: R5.1 149.61,21.08 U16.16
  In1.Cu w0.25: U16.16 144.02,16.76 142.9,15.65 119.73,15.65 118.62,16.76 U13.16 114.81,16.76 113.83,15.79 85.51,15.79 v1(84.96,15.24)
  Bottom w0.25: v1(84.96,15.24) 85.85,15.24 U17.15 88.84,12.25 88.84,4.11 87.82,3.09 67.78,3.09 U14.24
DCOL4: length 96.4
  Top w0.25: R4.1 149.61,18.54 U16.15
  In1.Cu w0.25: v1(84.96,14.22) 84.96,14.25 85.91,15.2 113.83,15.2 114.81,14.22 U13.15 118.75,14.22 119.72,15.2 142.79,15.2 143.76,14.22 U16.15
  Bottom w0.25: U14.25 64.54,10.94 71.62,10.94 71.85,10.71 85.89,10.71 U17.14 84.96,13.59 v1(84.96,14.22)
DCOL5: length 87
  Top w0.25: R3.1 148.08,11.68 U16.14
  In1.Cu w0.25: U16.14 140.08,11.68 139.11,10.71 120.23,10.71 119.25,11.68 U13.14 112.78,11.68 111.8,10.71 105.96,10.71 105.41,10.16 91.31,10.16 90.3,9.14 U17.13
  Bottom w0.25: U17.13 85.89,8.17 69.31,8.17 69.08,8.4 67.08,8.4 U14.26
DCOL6: length 92.9
  Top w0.25: R2.1 148.59,9.14 U16.13
  In1.Cu w0.25: U13.13 118.24,9.14 119.21,8.17 140.88,8.17 141.86,9.14 U16.13 ; U17.12 v1(92.33,6.6)
  Bottom w0.25: U14.27 67.08,8.87 77.04,8.87 78.29,10.12 87.82,10.12 88.39,9.55 88.39,8.13 U17.12 ; U13.13 115.19,9.14 111.67,5.63 93.3,5.63 v1(92.33,6.6)
DCOL7: length 84.7
  Top w0.25: U16.12 149.1,6.6 R1.1
  In1.Cu w0.25: U16.12 141.6,6.6 140.63,5.63 119.47,5.63 118.49,6.6 U13.12 115.06,6.6 113.95,5.49 90.33,5.49 88.9,4.06 U17.11
  Bottom w0.25: U17.11 86.11,4.06 82.55,7.62 68.83,7.62 U14.28
HSYNC: length 207.6
  Top w0.25: 17.84,71.37 16.87,71.37 16.38,70.89 v1(16.38,67.69) ; U14.33 71.88,14.99 73.66,16.76 v1(73.66,67.69)
  In1.Cu w0.25: J1.13 157.74,61.32 157.74,65.31 155.61,67.44 73.91,67.44 v1(73.66,67.69) 72.98,67.01 51.35,67.01 50.98,67.39 16.69,67.39 v1(16.38,67.69)
